# KiCad board FrontEnd_5G.kicad_pcb (continued)
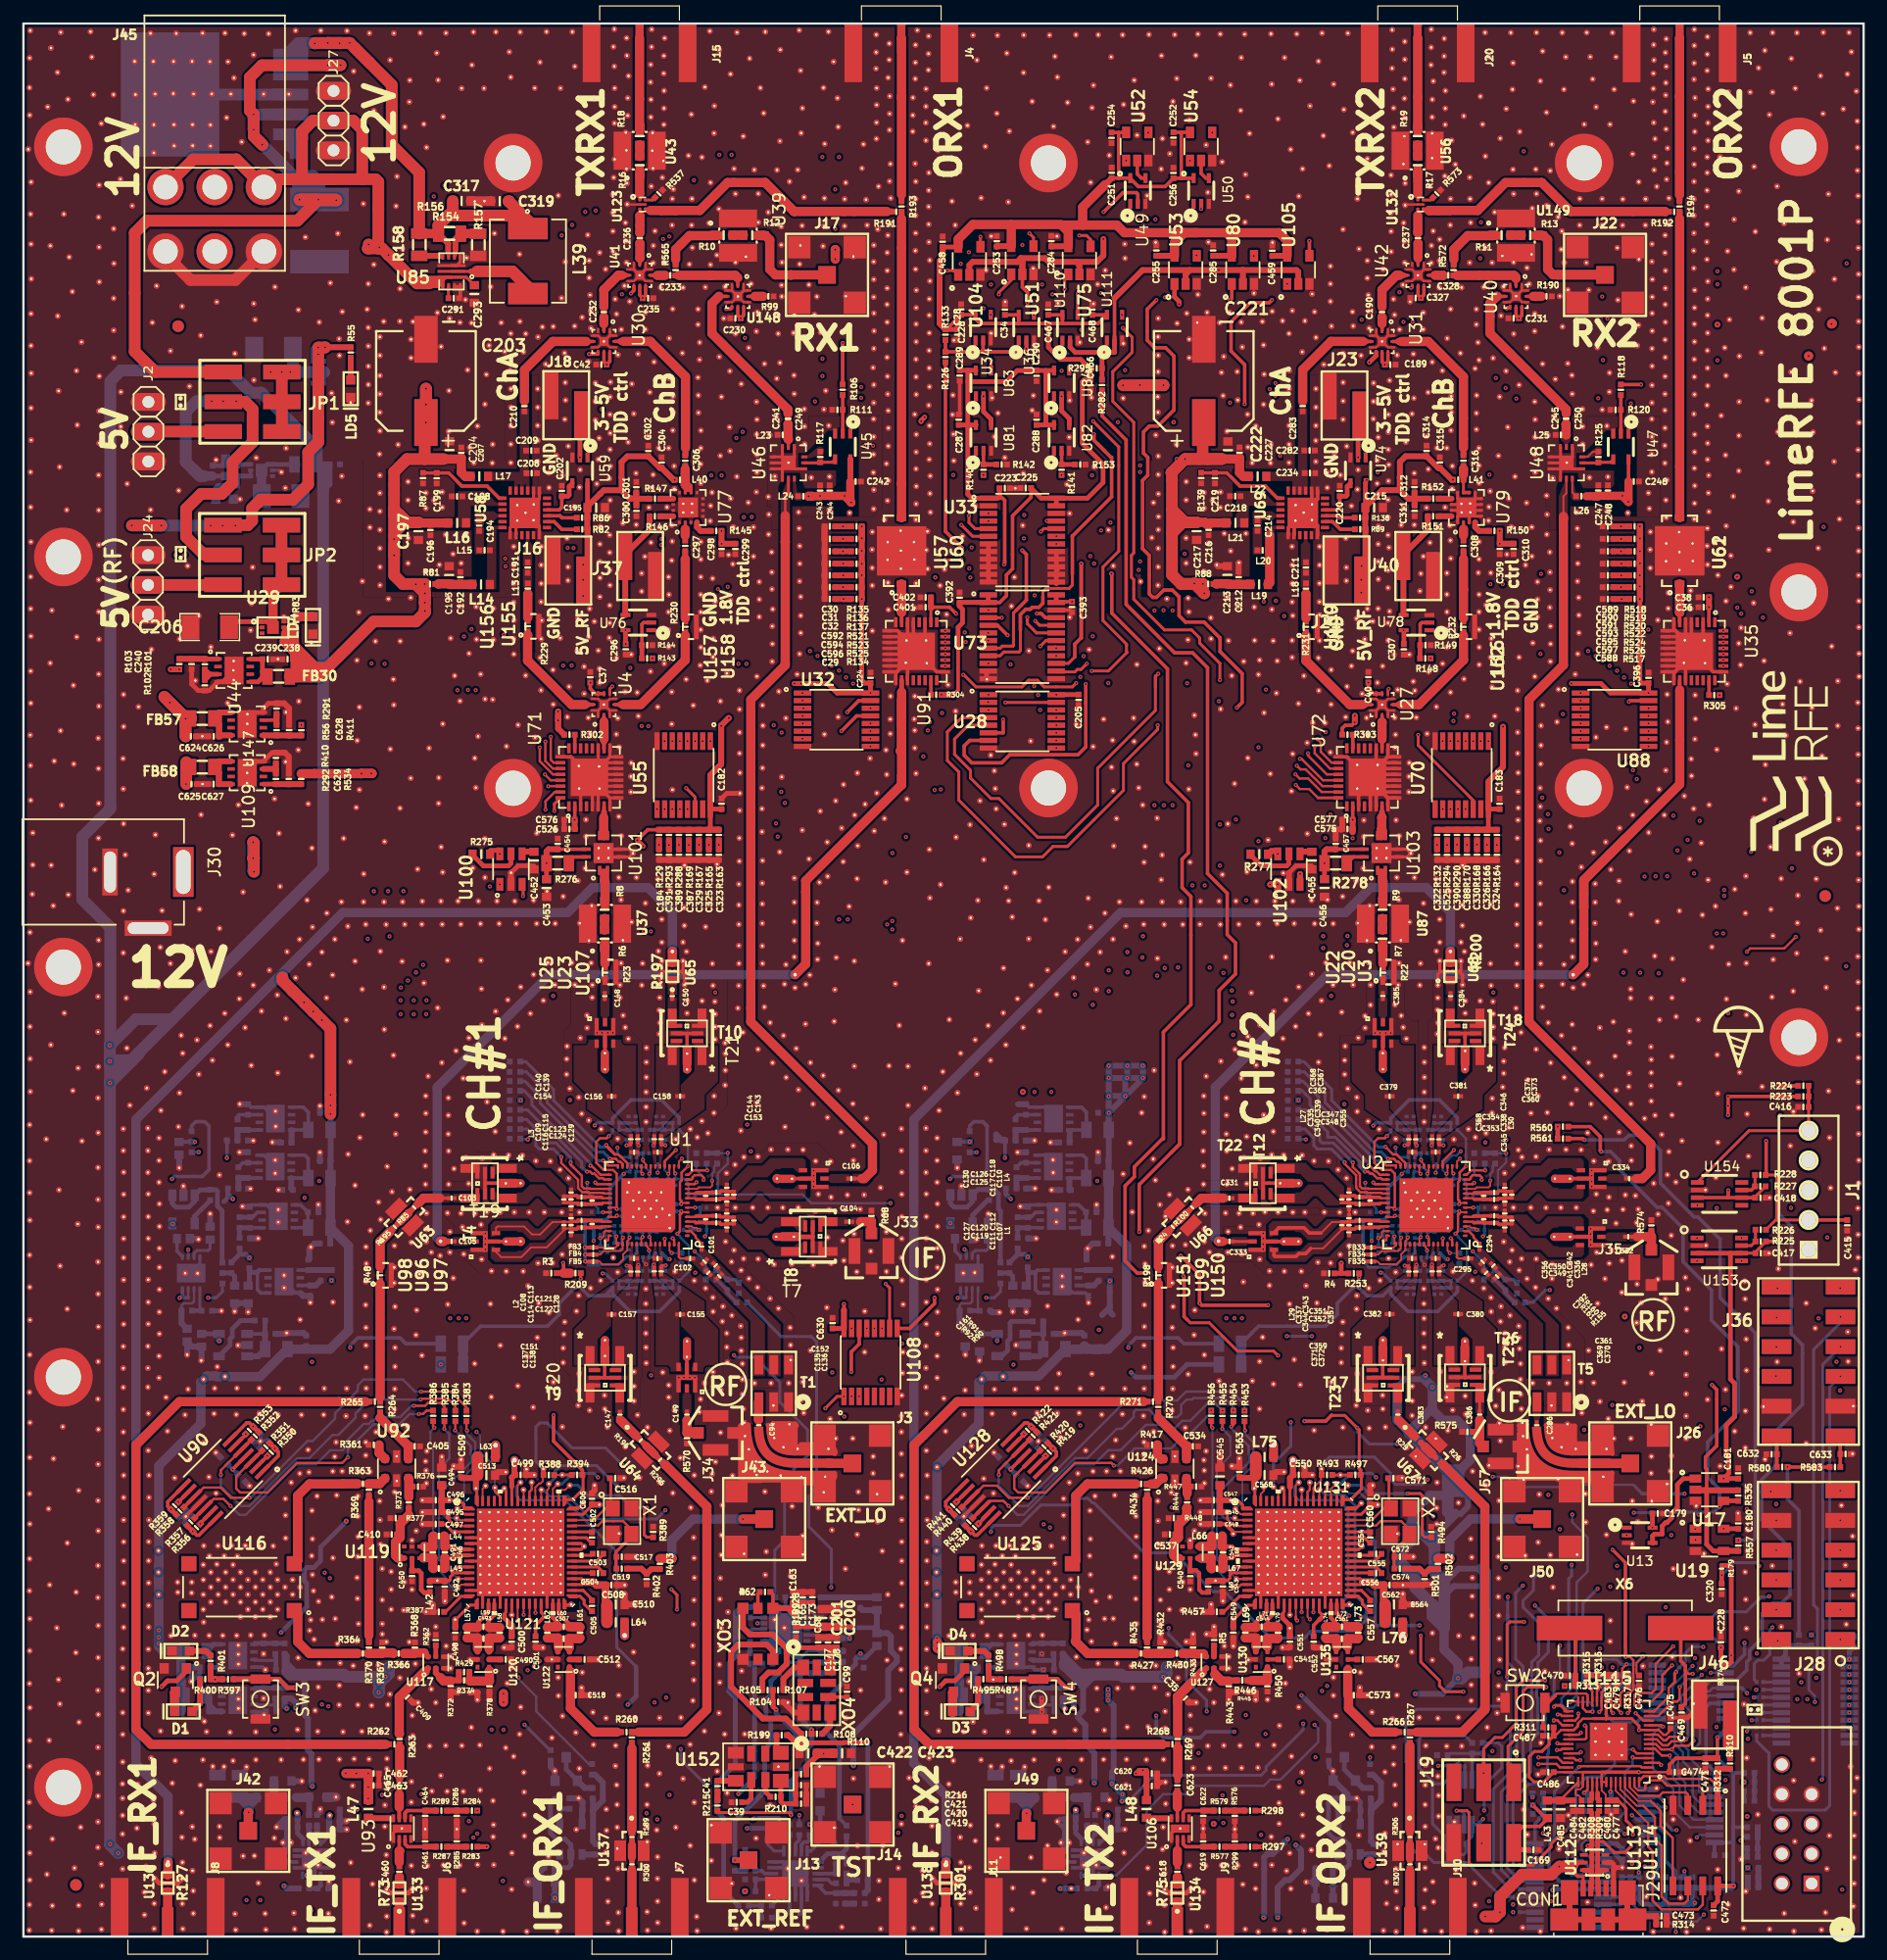
[diagram p0: board, top side]
## Placement (name value [footprint] x y rotation side) (continued)
Ref**#1176  Val**  [VIA_600_400]  137.42 95.71 0 top
Ref**#1177  Val**  [VIA_600_400]  138.78 94.22 0 top
Ref**#1178  Val**  [VIA_600_400]  140.81 83.45 0 top
Ref**#1179  Val**  [VIA_600_400]  138.6 96.87 0 top
Ref**#1180  Val**  [VIA_600_400]  139.67 97.9 0 top
Ref**#1181  Val**  [VIA_600_400]  89.91 23.87 0 top
Ref**#1182  Val**  [VIA_600_400]  91.76 23.31 0 top
Ref**#1183  Val**  [VIA_600_400]  93.38 23.31 0 top
Ref**#1184  Val**  [VIA_600_400]  90.97 27.03 0 top
Ref**#1185  Val**  [VIA_600_400]  90.82 26.18 0 top
Ref**#1186  Val**  [VIA_600_400]  95.05 26.69 0 top
Ref**#1187  Val**  [VIA_600_400]  88.92 19.46 0 top
Ref**#1188  Val**  [VIA_600_400]  89.69 19.52 0 top
Ref**#1189  Val**  [VIA_600_400]  90.04 39.52 0 top
Ref**#1190  Val**  [VIA_600_400]  93.67 39.71 0 top
Ref**#1191  Val**  [VIA_600_400]  92.49 39.71 0 top
Ref**#1192  Val**  [VIA_600_400]  94.87 39.68 0 top
Ref**#1193  Val**  [VIA_600_400]  91.33 39.7 0 top
Ref**#1194  Val**  [VIA_600_400]  96.05 39.68 0 top
Ref**#1195  Val**  [VIA_600_400]  98.02 37.9 0 top
Ref**#1196  Val**  [VIA_600_400]  88.28 9.82 90 top
Ref**#1197  Val**  [VIA_600_400]  140.73 41.03 0 top
Ref**#1198  Val**  [VIA_600_400]  140.35 38.62 0 top
Ref**#1199  Val**  [VIA_600_400]  142.84 36.75 90 top
Ref**#1200  Val**  [VIA_600_400]  82.87 41.3 225 top
Ref**#1201  Val**  [VIA_600_400]  85.74 38.46 225 top
Ref**#1202  Val**  [VIA_600_400]  81.82 47.56 0 top
Ref**#1203  Val**  [VIA_600_400]  83.65 47.79 0 top
Ref**#1204  Val**  [VIA_600_400]  78.01 40.07 0 top
Ref**#1205  Val**  [VIA_600_400]  77.99 29.19 0 top
Ref**#1206  Val**  [VIA_600_400]  77.97 31.09 0 top
Ref**#1207  Val**  [VIA_600_400]  77.97 32.93 0 top
Ref**#1208  Val**  [VIA_600_400]  78.05 57.11 0 top
Ref**#1209  Val**  [VIA_600_400]  78.05 55.22 0 top
Ref**#1210  Val**  [VIA_600_400]  78.05 51.44 0 top
Ref**#1211  Val**  [VIA_600_400]  78.05 53.3 0 top
Ref**#1212  Val**  [VIA_600_400]  78.05 60.6 0 top
Ref**#1213  Val**  [VIA_600_400]  78.05 58.74 0 top
Ref**#1214  Val**  [VIA_600_400]  78.02 49.54 0 top
Ref**#1215  Val**  [VIA_600_400]  78.02 47.68 0 top
Ref**#1216  Val**  [VIA_600_400]  78.02 66.23 0 top
Ref**#1217  Val**  [VIA_600_400]  78.02 64.37 0 top
Ref**#1218  Val**  [VIA_600_400]  78.02 68.15 0 top
Ref**#1219  Val**  [VIA_600_400]  78.05 62.53 0 top
Ref**#1220  Val**  [VIA_600_400]  103.78 86.39 0 top
Ref**#1221  Val**  [VIA_600_400]  110.25 86.44 0 top
Ref**#1222  Val**  [VIA_600_400]  114.41 91.16 0 top
Ref**#1223  Val**  [VIA_600_400]  71.45 62.07 0 top
Ref**#1224  Val**  [VIA_600_400]  72.56 40.97 180 top
Ref**#1225  Val**  [VIA_600_400]  72.55 39.53 180 top
Ref**#1226  Val**  [VIA_600_400]  65.64 36.72 180 top
Ref**#1227  Val**  [VIA_600_400]  71.31 36.41 180 top
Ref**#1228  Val**  [VIA_600_400]  66.44 39.2 180 top
Ref**#1229  Val**  [VIA_600_400]  66.11 41.62 180 top
Ref**#1230  Val**  [VIA_600_400]  70.82 42.51 180 top
Ref**#1231  Val**  [VIA_600_400]  68.74 41.62 180 top
Ref**#1232  Val**  [VIA_600_400]  11.53 32.93 0 top
Ref**#1233  Val**  [VIA_600_400]  11.53 31.09 0 top
Ref**#1234  Val**  [VIA_600_400]  11.55 29.19 0 top
Ref**#1235  Val**  [VIA_600_400]  14.37 30.24 0 top
Ref**#1236  Val**  [VIA_600_400]  13.17 30.24 0 top
Ref**#1237  Val**  [VIA_600_400]  13.18 29.38 0 top
Ref**#1238  Val**  [VIA_600_400]  14.36 29.33 0 top
Ref**#1239  Val**  [VIA_600_400]  15.4 33.35 0 top
Ref**#1240  Val**  [VIA_600_400]  18.95 33.36 0 top
Ref**#1241  Val**  [VIA_600_400]  17.77 33.36 0 top
Ref**#1242  Val**  [VIA_600_400]  20.15 33.33 0 top
Ref**#1243  Val**  [VIA_600_400]  16.61 33.35 0 top
Ref**#1244  Val**  [VIA_600_400]  21.33 33.33 0 top
Ref**#1245  Val**  [VIA_600_400]  21.59 31.79 0 top
Ref**#1246  Val**  [VIA_600_400]  17.15 32.47 0 top
Ref**#1247  Val**  [VIA_600_400]  18.27 32.45 0 top
Ref**#1248  Val**  [VIA_600_400]  15.88 32.47 0 top
Ref**#1249  Val**  [VIA_600_400]  16.52 31.77 0 top
Ref**#1250  Val**  [VIA_600_400]  17.9 31.73 0 top
Ref**#1251  Val**  [VIA_600_400]  15.36 31.73 0 top
Ref**#1252  Val**  [VIA_600_400]  16 31.09 0 top
Ref**#1253  Val**  [VIA_600_400]  19.81 31.09 0 top
Ref**#1254  Val**  [VIA_600_400]  17.27 31.09 0 top
Ref**#1255  Val**  [VIA_600_400]  21.08 31.09 0 top
Ref**#1256  Val**  [VIA_600_400]  18.54 31.09 0 top
Ref**#1257  Val**  [VIA_600_400]  19.17 29.19 0 top
Ref**#1258  Val**  [VIA_600_400]  16.63 29.19 0 top
Ref**#1259  Val**  [VIA_600_400]  17.9 29.19 0 top
Ref**#1260  Val**  [VIA_600_400]  21.7 29.19 0 top
Ref**#1261  Val**  [VIA_600_400]  20.44 29.19 0 top
Ref**#1262  Val**  [VIA_600_400]  22.98 29.19 0 top
Ref**#1263  Val**  [VIA_600_400]  15.36 29.19 0 top
Ref**#1264  Val**  [VIA_600_400]  19.17 30.45 0 top
Ref**#1265  Val**  [VIA_600_400]  16.63 30.45 0 top
Ref**#1266  Val**  [VIA_600_400]  17.9 30.45 0 top
Ref**#1267  Val**  [VIA_600_400]  21.7 30.45 0 top
Ref**#1268  Val**  [VIA_600_400]  20.44 30.45 0 top
Ref**#1269  Val**  [VIA_600_400]  22.98 30.45 0 top
Ref**#1270  Val**  [VIA_600_400]  15.36 30.45 0 top
Ref**#1271  Val**  [VIA_600_400]  16 29.82 0 top
Ref**#1272  Val**  [VIA_600_400]  17.27 29.82 0 top
Ref**#1273  Val**  [VIA_600_400]  18.54 29.82 0 top
Ref**#1274  Val**  [VIA_600_400]  19.81 29.82 0 top
Ref**#1275  Val**  [VIA_600_400]  21.08 29.82 0 top
Ref**#1276  Val**  [VIA_600_400]  22.34 29.82 0 top
Ref**#1277  Val**  [VIA_600_400]  23.62 29.82 0 top
Ref**#1278  Val**  [VIA_600_400]  22.39 34 0 top
Ref**#1279  Val**  [VIA_600_400]  12.59 25.67 0 top
Ref**#1280  Val**  [VIA_600_400]  15.36 27.91 0 top
Ref**#1281  Val**  [VIA_600_400]  15.39 26.83 0 top
Ref**#1282  Val**  [VIA_600_400]  19.8 27.28 0 top
Ref**#1283  Val**  [VIA_600_400]  21.07 27.28 0 top
Ref**#1284  Val**  [VIA_600_400]  18.53 27.28 0 top
Ref**#1285  Val**  [VIA_600_400]  20.44 27.92 0 top
Ref**#1286  Val**  [VIA_600_400]  21.71 27.92 0 top
Ref**#1287  Val**  [VIA_600_400]  19.17 27.92 0 top
Ref**#1288  Val**  [VIA_600_400]  19.81 28.55 0 top
Ref**#1289  Val**  [VIA_600_400]  17.27 28.55 0 top
Ref**#1290  Val**  [VIA_600_400]  18.54 28.55 0 top
Ref**#1291  Val**  [VIA_600_400]  21.08 28.55 0 top
Ref**#1292  Val**  [VIA_600_400]  16 28.55 0 top
Ref**#1293  Val**  [VIA_600_400]  53.26 2.11 0 top
Ref**#1294  Val**  [VIA_600_400]  42.98 0.43 0 top
Ref**#1295  Val**  [VIA_600_400]  53.25 5.87 0 top
Ref**#1296  Val**  [VIA_600_400]  53.3 14.6 0 top
Ref**#1297  Val**  [VIA_600_400]  53.25 11.26 0 top
Ref**#1298  Val**  [VIA_600_400]  53.25 9.39 0 top
Ref**#1299  Val**  [VIA_600_400]  53.26 8.07 0 top
Ref**#1300  Val**  [VIA_600_400]  53.26 12.93 0 top
Ref**#1301  Val**  [VIA_600_400]  53.31 16.29 0 top
Ref**#1302  Val**  [VIA_600_400]  50.77 5.79 0 top
Ref**#1303  Val**  [VIA_600_400]  45.59 0.46 0 top
Ref**#1304  Val**  [VIA_600_400]  50.57 16.3 0 top
Ref**#1305  Val**  [VIA_600_400]  50.55 14.56 0 top
Ref**#1306  Val**  [VIA_600_400]  50.7 9.33 0 top
Ref**#1307  Val**  [VIA_600_400]  50.69 11.26 0 top
Ref**#1308  Val**  [VIA_600_400]  50.71 7.51 0 top
Ref**#1309  Val**  [VIA_600_400]  50.66 12.94 0 top
Ref**#1310  Val**  [VIA_600_400]  50.8 2.05 0 top
Ref**#1311  Val**  [VIA_600_400]  50.83 0.47 0 top
Ref**#1312  Val**  [VIA_600_400]  53.29 0.53 0 top
Ref**#1313  Val**  [VIA_600_400]  119.68 0.49 0 top
Ref**#1314  Val**  [VIA_600_400]  117.22 0.42 0 top
Ref**#1315  Val**  [VIA_600_400]  99.67 0.44 0 top
Ref**#1316  Val**  [VIA_600_400]  86.22 3.75 0 top
Ref**#1317  Val**  [VIA_600_400]  105.45 0.41 0 top
Ref**#1318  Val**  [VIA_600_400]  97.45 0.38 0 top
Ref**#1319  Val**  [VIA_600_400]  31.01 0.38 0 top
Ref**#1320  Val**  [VIA_600_400]  31.02 1.72 0 top
Ref**#1321  Val**  [VIA_600_400]  30.99 5.41 0 top
Ref**#1322  Val**  [VIA_600_400]  31.02 4.02 0 top
Ref**#1323  Val**  [VIA_600_400]  26.11 0.59 0 top
Ref**#1324  Val**  [VIA_600_400]  30.86 9.39 0 top
Ref**#1325  Val**  [VIA_600_400]  30.87 11.22 0 top
Ref**#1326  Val**  [VIA_600_400]  33.24 1.78 0 top
Ref**#1327  Val**  [VIA_600_400]  33.23 0.44 0 top
Ref**#1328  Val**  [VIA_600_400]  23.16 0.64 0 top
Ref**#1329  Val**  [VIA_600_400]  33.18 4.03 0 top
Ref**#1330  Val**  [VIA_600_400]  33.12 6.05 0 top
Ref**#1331  Val**  [VIA_600_400]  28.11 12.87 270 top
Ref**#1332  Val**  [VIA_600_400]  31.03 13.04 0 top
Ref**#1333  Val**  [VIA_600_400#8]  31.04 17.18 0 top
Ref**#1334  Val**  [VIA_600_400#8]  29.51 17.14 0 top
Ref**#1335  Val**  [VIA_600_400#8]  28.24 17.16 0 top
Ref**#1336  Val**  [VIA_600_400#8]  26.98 17.12 0 top
Ref**#1337  Val**  [VIA_600_400]  33.2 18.87 0 top
Ref**#1338  Val**  [VIA_600_400]  33.25 17.13 0 top
Ref**#1339  Val**  [VIA_600_400]  41.19 16.11 0 top
Ref**#1340  Val**  [VIA_600_400]  38.97 16.34 0 top
Ref**#1341  Val**  [VIA_600_400]  36.06 16.3 0 top
Ref**#1342  Val**  [VIA_600_400]  37.44 16.29 0 top
Ref**#1343  Val**  [VIA_600_400]  34.69 16.26 0 top
Ref**#1344  Val**  [VIA_600_400]  33.24 16.22 0 top
Ref**#1345  Val**  [VIA_600_400#8]  39 14.5 0 top
Ref**#1346  Val**  [VIA_600_400#8]  40.1 13.59 0 top
Ref**#1347  Val**  [VIA_600_400#8]  33.12 13.47 0 top
Ref**#1348  Val**  [VIA_600_400#8]  34.88 14.41 0 top
Ref**#1349  Val**  [VIA_600_400#8]  37.56 14.38 0 top
Ref**#1350  Val**  [VIA_600_400#8]  36.18 14.39 0 top
Ref**#1351  Val**  [VIA_600_400]  40.14 9.54 0 top
Ref**#1352  Val**  [VIA_600_400]  40.11 8.51 0 top
Ref**#1353  Val**  [VIA_600_400]  34.5 6.05 0 top
Ref**#1354  Val**  [VIA_600_400]  37.25 6.08 0 top
Ref**#1355  Val**  [VIA_600_400]  35.87 6.09 0 top
Ref**#1356  Val**  [VIA_600_400]  38.78 6.13 0 top
Ref**#1357  Val**  [VIA_600_400]  40.16 6.12 0 top
Ref**#1358  Val**  [VIA_600_400]  42.73 14.01 0 top
Ref**#1359  Val**  [VIA_600_400]  42.78 8.58 0 top
Ref**#1360  Val**  [VIA_600_400]  42.76 12.33 0 top
Ref**#1361  Val**  [VIA_600_400]  42.77 10.4 0 top
Ref**#1362  Val**  [VIA_600_400]  41.71 7.13 0 top
Ref**#1363  Val**  [VIA_600_400]  41.86 15.37 0 top
Ref**#1364  Val**  [VIA_600_400#8]  34.31 11.17 0 top
Ref**#1365  Val**  [VIA_600_400#8]  37.01 11.17 0 top
Ref**#1366  Val**  [VIA_600_400]  28.61 26.69 0 top
Ref**#1367  Val**  [VIA_600_400]  26.63 27.13 0 top
Ref**#1368  Val**  [VIA_600_400]  26.33 28.98 0 top
Ref**#1369  Val**  [VIA_600_400]  26.75 37.66 0 top
Ref**#1370  Val**  [VIA_600_400]  28.56 37.59 0 top
Ref**#1371  Val**  [VIA_600_400]  28.56 35.87 0 top
Ref**#1372  Val**  [VIA_600_400]  28.58 34.13 0 top
Ref**#1373  Val**  [VIA_600_400]  28.54 32.43 0 top
Ref**#1374  Val**  [VIA_600_400]  28.49 30.63 0 top
Ref**#1375  Val**  [VIA_600_400]  28.52 28.85 0 top
Ref**#1376  Val**  [VIA_600_400]  26.81 24.99 0 top
Ref**#1377  Val**  [VIA_600_400]  28.44 25.22 0 top
Ref**#1378  Val**  [VIA_600_400]  24.44 26.12 0 top
Ref**#1379  Val**  [VIA_600_400]  24.53 27.02 0 top
Ref**#1380  Val**  [VIA_600_400]  24.82 25.36 0 top
Ref**#1381  Val**  [VIA_600_400]  25.53 27.05 0 top
Ref**#1382  Val**  [VIA_600_400]  25.2 28.6 0 top
Ref**#1383  Val**  [VIA_600_400]  24.77 29.5 0 top
Ref**#1384  Val**  [VIA_600_400]  24.68 30.88 0 top
Ref**#1385  Val**  [VIA_600_400]  24.62 32.49 0 top
Ref**#1386  Val**  [VIA_600_400]  24.68 33.93 0 top
Ref**#1387  Val**  [VIA_600_400]  24.64 36.35 0 top
Ref**#1388  Val**  [VIA_600_400]  25.07 37.59 0 top
Ref**#1389  Val**  [VIA_600_400]  13.87 35.85 0 top
Ref**#1390  Val**  [VIA_600_400]  16.43 41.3 0 top
Ref**#1391  Val**  [VIA_600_400]  29.18 44.43 0 top
Ref**#1392  Val**  [VIA_600_400]  30.11 43.06 0 top
Ref**#1393  Val**  [VIA_600_400]  32.77 43.55 0 top
Ref**#1394  Val**  [VIA_600_400]  31.67 45 0 top
Ref**#1395  Val**  [VIA_600_400]  45.38 14.14 0 top
Ref**#1396  Val**  [VIA_600_400]  47.41 11.82 0 top
Ref**#1397  Val**  [VIA_600_400]  43.1 4.66 0 top
Ref**#1398  Val**  [VIA_600_400]  72.94 35.4 90 top
Ref**#1399  Val**  [VIA_600_400]  72.89 37.76 0 top
Ref**#1400  Val**  [VIA_600_400]  30.99 6.97 0 top
Ref**#1401  Val**  [VIA_600_400]  77.6 2.81 0 top
Ref**#1402  Val**  [VIA_600_400]  77.59 0.66 0 top
Ref**#1403  Val**  [VIA_600_400]  80.03 2.8 0 top
Ref**#1404  Val**  [VIA_600_400]  80.07 0.66 0 top
Ref**#1405  Val**  [VIA_600_400]  79.98 4.91 0 top
Ref**#1406  Val**  [VIA_600_400]  11.16 0.67 0 top
Ref**#1407  Val**  [VIA_600_400]  11.17 2.82 0 top
Ref**#1408  Val**  [VIA_600_400]  11.2 7.12 0 top
Ref**#1409  Val**  [VIA_600_400]  11.19 4.97 0 top
Ref**#1410  Val**  [VIA_600_400]  11.18 9.59 0 top
Ref**#1411  Val**  [VIA_600_400]  11.11 11.65 0 top
Ref**#1412  Val**  [VIA_600_400]  13.52 4.91 0 top
Ref**#1413  Val**  [VIA_600_400]  13.61 0.66 0 top
Ref**#1414  Val**  [VIA_600_400]  13.57 2.8 0 top
Ref**#1415  Val**  [VIA_600_400]  13.54 8.47 0 top
Ref**#1416  Val**  [VIA_600_400]  13.58 6.33 0 top
Ref**#1417  Val**  [VIA_600_400]  13.49 10.58 0 top
Ref**#1418  Val**  [VIA_600_400#10]  12.35 6.36 0 top
Ref**#1419  Val**  [VIA_600_400]  16.74 9.4 90 top
Ref**#1420  Val**  [VIA_600_400]  16.76 8.44 90 top
Ref**#1421  Val**  [VIA_600_400]  19.72 6.89 0 top
Ref**#1422  Val**  [VIA_600_400]  18.76 6.87 0 top
Ref**#1423  Val**  [VIA_600_400]  75.63 13.54 0 top
Ref**#1424  Val**  [VIA_600_400]  54.32 18.66 0 top
Ref**#1425  Val**  [VIA_600_400]  56.15 18.69 0 top
Ref**#1426  Val**  [VIA_600_400]  57.17 20.13 0 top
Ref**#1427  Val**  [VIA_600_400]  50.83 20.59 0 top
Ref**#1428  Val**  [VIA_600_400]  58.15 17.53 0 top
Ref**#1429  Val**  [VIA_600_400]  56.93 16.39 0 top
Ref**#1430  Val**  [VIA_600_400]  55.1 16.23 0 top
Ref**#1431  Val**  [VIA_600_400]  57.24 21.89 0 top
Ref**#1432  Val**  [VIA_600_400]  59.46 21.68 0 top
Ref**#1433  Val**  [VIA_600_400]  59.4 19.08 0 top
Ref**#1434  Val**  [VIA_600_400]  59.51 24.77 0 top
Ref**#1435  Val**  [VIA_600_400]  59.57 26.31 0 top
Ref**#1436  Val**  [VIA_600_400]  57.23 26.66 0 top
Ref**#1437  Val**  [VIA_600_400]  57.15 24.83 0 top
Ref**#1438  Val**  [VIA_600_400]  57.28 39.37 0 top
Ref**#1439  Val**  [VIA_600_400]  58.74 37.98 0 top
Ref**#1440  Val**  [VIA_600_400]  71.29 37.95 0 top
Ref**#1441  Val**  [VIA_600_400]  59.68 36.81 0 top
Ref**#1442  Val**  [VIA_600_400]  59.51 30.59 0 top
Ref**#1443  Val**  [VIA_600_400]  59.47 28.8 0 top
Ref**#1444  Val**  [VIA_600_400]  59.43 23.21 0 top
Ref**#1445  Val**  [VIA_600_400]  66.54 34.2 0 top
Ref**#1446  Val**  [VIA_600_400]  54.33 38.75 0 top
Ref**#1447  Val**  [VIA_600_400]  56.98 36.61 0 top
Ref**#1448  Val**  [VIA_600_400]  57.27 32.3 0 top
Ref**#1449  Val**  [VIA_600_400]  57.23 34.05 0 top
Ref**#1450  Val**  [VIA_600_400]  57.19 23.35 0 top
Ref**#1451  Val**  [VIA_600_400]  57.26 28.71 0 top
Ref**#1452  Val**  [VIA_600_400]  57.29 30.62 0 top
Ref**#1453  Val**  [VIA_600_400]  59.59 32.57 0 top
Ref**#1454  Val**  [VIA_600_400]  47.17 17.41 0 top
Ref**#1455  Val**  [VIA_600_400]  46.03 18.82 0 top
Ref**#1456  Val**  [VIA_600_400]  48.68 16.37 0 top
Ref**#1457  Val**  [VIA_600_400]  67.21 50.02 0 top
Ref**#1458  Val**  [VIA_600_400]  34.35 68.66 90 top
Ref**#1459  Val**  [VIA_600_400]  37.79 66.47 90 top
Ref**#1460  Val**  [VIA_600_400]  31.73 53.76 90 top
Ref**#1461  Val**  [VIA_600_400]  39.17 66.41 0 top
Ref**#1462  Val**  [VIA_600_400]  40.15 66.71 0 top
Ref**#1463  Val**  [VIA_600_400]  31.65 55.78 90 top
Ref**#1464  Val**  [VIA_600_400]  29.22 53.91 90 top
Ref**#1465  Val**  [VIA_600_400]  29.25 55.9 90 top
Ref**#1466  Val**  [VIA_600_400]  31.65 51.86 90 top
Ref**#1467  Val**  [VIA_600_400]  29.25 51.97 90 top
Ref**#1468  Val**  [VIA_600_400]  31.73 50.26 0 top
Ref**#1469  Val**  [VIA_600_400]  29.25 50.45 0 top
Ref**#1470  Val**  [VIA_600_400#2]  40.7 62.62 0 top
Ref**#1471  Val**  [VIA_600_400]  39.57 61.85 0 top
Ref**#1472  Val**  [VIA_600_400#5]  37.36 62.52 90 top
Ref**#1473  Val**  [VIA_600_400#5]  38.55 62.52 90 top
Ref**#1474  Val**  [VIA_600_400]  36.21 61.75 0 top
Ref**#1475  Val**  [VIA_600_400]  34.42 61.73 0 top
Ref**#1476  Val**  [VIA_600_400]  34.33 64.2 90 top
Ref**#1477  Val**  [VIA_600_400]  37.49 60.54 90 top
Ref**#1478  Val**  [VIA_600_400]  38.02 64.26 0 top
Ref**#1479  Val**  [VIA_600_400]  36.31 64.2 0 top
Ref**#1480  Val**  [VIA_600_400]  33 63.75 90 top
Ref**#1481  Val**  [VIA_600_400]  33.11 59.24 90 top
Ref**#1482  Val**  [VIA_600_400]  29.62 60.26 0 top
Ref**#1483  Val**  [VIA_600_400]  30.5 61.19 0 top
Ref**#1484  Val**  [VIA_600_400]  30.33 62.68 90 top
Ref**#1485  Val**  [VIA_600_400]  31.68 58.95 90 top
Ref**#1486  Val**  [VIA_600_400]  33.52 51.34 0 top
Ref**#1487  Val**  [VIA_600_400]  31.65 57.11 0 top
Ref**#1488  Val**  [VIA_600_400]  29.25 58.86 90 top
Ref**#1489  Val**  [VIA_600_400]  29.28 57.43 90 top
Ref**#1490  Val**  [VIA_600_400]  29.27 48.58 0 top
Ref**#1491  Val**  [VIA_600_400]  29.27 46.79 0 top
Ref**#1492  Val**  [VIA_600_400]  31.73 48.64 0 top
Ref**#1493  Val**  [VIA_600_400]  31.71 46.74 0 top
Ref**#1494  Val**  [VIA_600_400]  33.58 53.46 90 top
Ref**#1495  Val**  [VIA_600_400#5]  39.97 57.6 90 top
Ref**#1496  Val**  [VIA_600_400]  39.13 57.79 90 top
Ref**#1497  Val**  [VIA_600_400]  39.07 60.76 90 top
Ref**#1498  Val**  [VIA_600_400]  13.8 44.52 0 top
Ref**#1499  Val**  [VIA_600_400]  23.74 44.52 0 top
Ref**#1500  Val**  [VIA_600_400]  25.64 44.53 0 top
Ref**#1501  Val**  [VIA_600_400]  21.74 44.54 0 top
Ref**#1502  Val**  [VIA_600_400]  20.14 44.64 0 top
Ref**#1503  Val**  [VIA_600_400]  18.18 44.55 0 top
Ref**#1504  Val**  [VIA_600_400]  16.28 44.62 0 top
Ref**#1505  Val**  [VIA_600_400]  14.06 46.71 0 top
Ref**#1506  Val**  [VIA_600_400]  16.33 46.79 0 top
Ref**#1507  Val**  [VIA_600_400]  18.23 46.8 0 top
Ref**#1508  Val**  [VIA_600_400]  20.14 46.79 0 top
Ref**#1509  Val**  [VIA_600_400]  21.79 46.79 0 top
Ref**#1510  Val**  [VIA_600_400]  27.6 46.77 0 top
Ref**#1511  Val**  [VIA_600_400]  25.69 46.78 0 top
Ref**#1512  Val**  [VIA_600_400]  23.79 46.77 0 top
Ref**#1513  Val**  [VIA_600_400]  17.21 47.79 0 top
Ref**#1514  Val**  [VIA_600_400]  15.38 47.56 0 top
Ref**#1515  Val**  [VIA_600_400]  8.48 14.9 0 top
Ref**#1516  Val**  [VIA_600_400]  8.48 24.55 0 top
Ref**#1517  Val**  [VIA_600_400]  8.48 19.11 0 top
Ref**#1518  Val**  [VIA_600_400]  8.48 17.25 0 top
Ref**#1519  Val**  [VIA_600_400]  8.48 21.03 0 top
Ref**#1520  Val**  [VIA_600_400]  8.48 22.92 0 top
Ref**#1521  Val**  [VIA_600_400]  8.53 43.06 0 top
Ref**#1522  Val**  [VIA_600_400]  8.53 41.2 0 top
Ref**#1523  Val**  [VIA_600_400]  8.53 44.98 0 top
Ref**#1524  Val**  [VIA_600_400]  8.56 32.06 0 top
Ref**#1525  Val**  [VIA_600_400]  8.56 30.17 0 top
Ref**#1526  Val**  [VIA_600_400]  8.56 26.39 0 top
Ref**#1527  Val**  [VIA_600_400]  8.56 28.25 0 top
Ref**#1528  Val**  [VIA_600_400]  8.56 35.55 0 top
Ref**#1529  Val**  [VIA_600_400]  8.56 33.69 0 top
Ref**#1530  Val**  [VIA_600_400]  8.56 37.47 0 top
Ref**#1531  Val**  [VIA_600_400]  8.56 39.36 0 top
Ref**#1532  Val**  [VIA_600_400]  8.46 8.75 0 top
Ref**#1533  Val**  [VIA_600_400]  8.47 10.34 0 top
Ref**#1534  Val**  [VIA_600_400]  8.46 13.03 0 top
Ref**#1535  Val**  [VIA_600_400]  8.47 11.8 0 top
Ref**#1536  Val**  [VIA_600_400]  8.53 48.5 0 top
Ref**#1537  Val**  [VIA_600_400]  8.53 50.36 0 top
Ref**#1538  Val**  [VIA_600_400]  8.56 65.23 0 top
Ref**#1539  Val**  [VIA_600_400]  8.56 63.34 0 top
Ref**#1540  Val**  [VIA_600_400]  8.56 59.56 0 top
Ref**#1541  Val**  [VIA_600_400]  8.56 61.42 0 top
Ref**#1542  Val**  [VIA_600_400]  8.56 54.12 0 top
Ref**#1543  Val**  [VIA_600_400]  8.56 52.26 0 top
Ref**#1544  Val**  [VIA_600_400]  8.56 56.04 0 top
Ref**#1545  Val**  [VIA_600_400]  8.56 57.93 0 top
Ref**#1546  Val**  [VIA_600_400]  9.09 70.94 0 top
Ref**#1547  Val**  [VIA_600_400]  8.53 67.07 0 top
Ref**#1548  Val**  [VIA_600_400]  8.53 68.93 0 top
Ref**#1549  Val**  [VIA_600_400]  8.53 46.87 0 top
Ref**#1550  Val**  [VIA_600_400]  11.61 62.53 0 top
Ref**#1551  Val**  [VIA_600_400]  11.58 68.15 0 top
Ref**#1552  Val**  [VIA_600_400]  11.58 64.37 0 top
Ref**#1553  Val**  [VIA_600_400]  11.58 66.23 0 top
Ref**#1554  Val**  [VIA_600_400]  11.58 47.68 0 top
Ref**#1555  Val**  [VIA_600_400]  11.58 49.54 0 top
Ref**#1556  Val**  [VIA_600_400]  11.61 58.74 0 top
Ref**#1557  Val**  [VIA_600_400]  11.61 60.6 0 top
Ref**#1558  Val**  [VIA_600_400]  11.61 53.3 0 top
Ref**#1559  Val**  [VIA_600_400]  11.61 51.44 0 top
Ref**#1560  Val**  [VIA_600_400]  11.61 55.22 0 top
Ref**#1561  Val**  [VIA_600_400]  11.61 57.11 0 top
Ref**#1562  Val**  [VIA_600_400]  10.66 57.95 0 top
Ref**#1563  Val**  [VIA_600_400]  10.66 56.06 0 top
Ref**#1564  Val**  [VIA_600_400]  10.66 52.28 0 top
Ref**#1565  Val**  [VIA_600_400]  10.66 54.14 0 top
Ref**#1566  Val**  [VIA_600_400]  10.66 61.44 0 top
Ref**#1567  Val**  [VIA_600_400]  10.66 59.58 0 top
Ref**#1568  Val**  [VIA_600_400]  10.63 46.89 0 top
Ref**#1569  Val**  [VIA_600_400]  10.67 44.64 0 top
Ref**#1570  Val**  [VIA_600_400]  10.63 50.38 0 top
Ref**#1571  Val**  [VIA_600_400]  10.63 48.52 0 top
Ref**#1572  Val**  [VIA_600_400]  10.63 67.07 0 top
Ref**#1573  Val**  [VIA_600_400]  10.63 65.21 0 top
Ref**#1574  Val**  [VIA_600_400]  10.63 68.99 0 top
Ref**#1575  Val**  [VIA_600_400]  10.66 63.37 0 top
Ref**#1576  Val**  [VIA_600_400]  12.18 46.01 0 top
Ref**#1577  Val**  [VIA_600_400]  12.3 43.13 0 top
Ref**#1578  Val**  [VIA_600_400]  10.66 41.48 0 top
Ref**#1579  Val**  [VIA_600_400]  12.96 15.01 0 top
Ref**#1580  Val**  [VIA_600_400]  23.91 15.11 0 top
Ref**#1581  Val**  [VIA_600_400]  19.85 15.09 0 top
Ref**#1582  Val**  [VIA_600_400]  22 15.09 0 top
Ref**#1583  Val**  [VIA_600_400]  15.33 15.08 0 top
Ref**#1584  Val**  [VIA_600_400]  10.9 15.24 0 top
Ref**#1585  Val**  [VIA_600_400]  17.9 15 0 top
Ref**#1586  Val**  [VIA_600_400#8]  25.23 17.12 0 top
Ref**#1587  Val**  [VIA_600_400]  10.69 33.7 0 top
Ref**#1588  Val**  [VIA_600_400]  10.69 28.26 0 top
Ref**#1589  Val**  [VIA_600_400]  10.69 26.4 0 top
Ref**#1590  Val**  [VIA_600_400]  10.69 30.18 0 top
Ref**#1591  Val**  [VIA_600_400]  10.69 32.07 0 top
Ref**#1592  Val**  [VIA_600_400]  10.72 39.36 0 top
Ref**#1593  Val**  [VIA_600_400]  10.72 37.47 0 top
Ref**#1594  Val**  [VIA_600_400]  10.72 35.55 0 top
Ref**#1595  Val**  [VIA_600_400]  10.67 24.52 0 top
Ref**#1596  Val**  [VIA_600_400]  10.67 19.08 0 top
Ref**#1597  Val**  [VIA_600_400]  10.67 21 0 top
Ref**#1598  Val**  [VIA_600_400]  10.67 22.89 0 top
Ref**#1599  Val**  [VIA_600_400]  23.41 17.66 0 top
Ref**#1600  Val**  [VIA_600_400]  19.84 17.46 0 top
Ref**#1601  Val**  [VIA_600_400]  17.64 17.43 0 top
Ref**#1602  Val**  [VIA_600_400]  15.64 17.48 0 top
Ref**#1603  Val**  [VIA_600_400]  13.84 17.48 0 top
Ref**#1604  Val**  [VIA_600_400]  11.71 17.54 0 top
Ref**#1605  Val**  [VIA_600_400]  24.91 19.29 0 top
Ref**#1606  Val**  [VIA_600_400]  25.18 21.29 0 top
Ref**#1607  Val**  [VIA_600_400]  23.46 23.79 0 top
Ref**#1608  Val**  [VIA_600_400]  25.25 23.3 0 top
Ref**#1609  Val**  [VIA_600_400]  27.05 23.34 0 top
Ref**#1610  Val**  [VIA_600_400]  28.16 23.11 0 top
Ref**#1611  Val**  [VIA_600_400]  21.62 9.35 0 top
Ref**#1612  Val**  [VIA_600_400]  21.42 8.41 0 top
Ref**#1613  Val**  [VIA_600_400]  150.09 90.29 0 top
Ref**#1614  Val**  [VIA_600_400]  149.19 92.99 0 top
Ref**#1615  Val**  [VIA_600_400]  147.86 103.43 0 top
Ref**#1616  Val**  [VIA_600_400]  152.97 92.97 0 top
Ref**#1617  Val**  [VIA_600_400]  44.71 89.2 0 top
Ref**#1618  Val**  [VIA_600_400]  98.31 162.31 0 top
Ref**#1619  Val**  [VIA_600_400]  91.78 162.3 0 top
Ref**#1620  Val**  [VIA_600_400]  93.86 162.29 0 top
Ref**#1621  Val**  [VIA_600_400]  96.11 162.32 0 top
Ref**#1622  Val**  [VIA_600_400]  14.82 76.52 0 top
Ref**#1623  Val**  [VIA_600_400]  16.14 74.78 0 top
Ref**#1624  Val**  [VIA_600_400]  13.6 75.38 0 top
Ref**#1625  Val**  [VIA_600_400]  12.07 73.81 0 top
Ref**#1626  Val**  [VIA_600_400]  11.74 70.5 0 top
Ref**#1627  Val**  [VIA_600_400]  13.33 72 0 top
Ref**#1628  Val**  [VIA_600_400]  14.98 73.59 0 top
Ref**#1629  Val**  [VIA_600_400#10]  55.42 84.07 0 top
Ref**#1630  Val**  [VIA_600_400#3]  60.72 44.64 270 top
Ref**#1631  Val**  [VIA_600_400]  64.11 42.55 180 top
Ref**#1632  Val**  [VIA_600_400]  64.01 43.71 180 top
Ref**#1633  Val**  [VIA_600_400]  65.41 43.73 270 top
Ref**#1634  Val**  [VIA_600_400]  64.9 41.76 180 top
Ref**#1635  Val**  [VIA_600_400]  48.57 80.13 0 top
Ref**#1636  Val**  [VIA_600_400]  61.3 51.12 270 top
Ref**#1637  Val**  [VIA_600_400]  49.66 74.01 0 top
Ref**#1638  Val**  [VIA_600_400]  48.13 77.54 0 top
Ref**#1639  Val**  [VIA_600_400#3]  60.33 42.19 270 top
Ref**#1640  Val**  [VIA_600_400#3]  46.41 81.08 90 top
Ref**#1641  Val**  [VIA_600_400]  61.41 46.27 180 top
Ref**#1642  Val**  [VIA_600_400]  63.84 47.23 180 top
Ref**#1643  Val**  [VIA_600_400]  61.39 47.55 180 top
Ref**#1644  Val**  [VIA_600_400]  66.63 44.69 180 top
Ref**#1645  Val**  [VIA_600_400]  66.55 47.33 180 top
Ref**#1646  Val**  [VIA_600_400]  66.44 45.82 180 top
Ref**#1647  Val**  [VIA_600_400#3]  60.74 46 270 top
Ref**#1648  Val**  [VIA_600_400]  65.35 47.23 180 top
Ref**#1649  Val**  [VIA_600_400]  62.43 47.23 180 top
Ref**#1650  Val**  [VIA_600_400#3]  60.57 44.91 270 top
Ref**#1651  Val**  [VIA_600_400#3]  60.61 43.35 270 top
Ref**#1652  Val**  [VIA_600_400]  64.66 39.34 180 top
Ref**#1653  Val**  [VIA_600_400]  60.54 39.33 180 top
Ref**#1654  Val**  [VIA_600_400]  61.61 42.71 180 top
Ref**#1655  Val**  [VIA_600_400]  61.47 45.03 180 top
Ref**#1656  Val**  [VIA_600_400]  61.55 43.85 180 top
